# Altium PCB Main - Backup.PcbDoc (part 2 of 4)
Units mil, origin at the board's own origin, x right, y up, seen from the top; angles counter-clockwise.
Board outline 3937.01 x 2362.21 mil, 2 copper layers (Top Layer, Bottom Layer); 313 components, 187 nets, 894 pads, 443 vias.
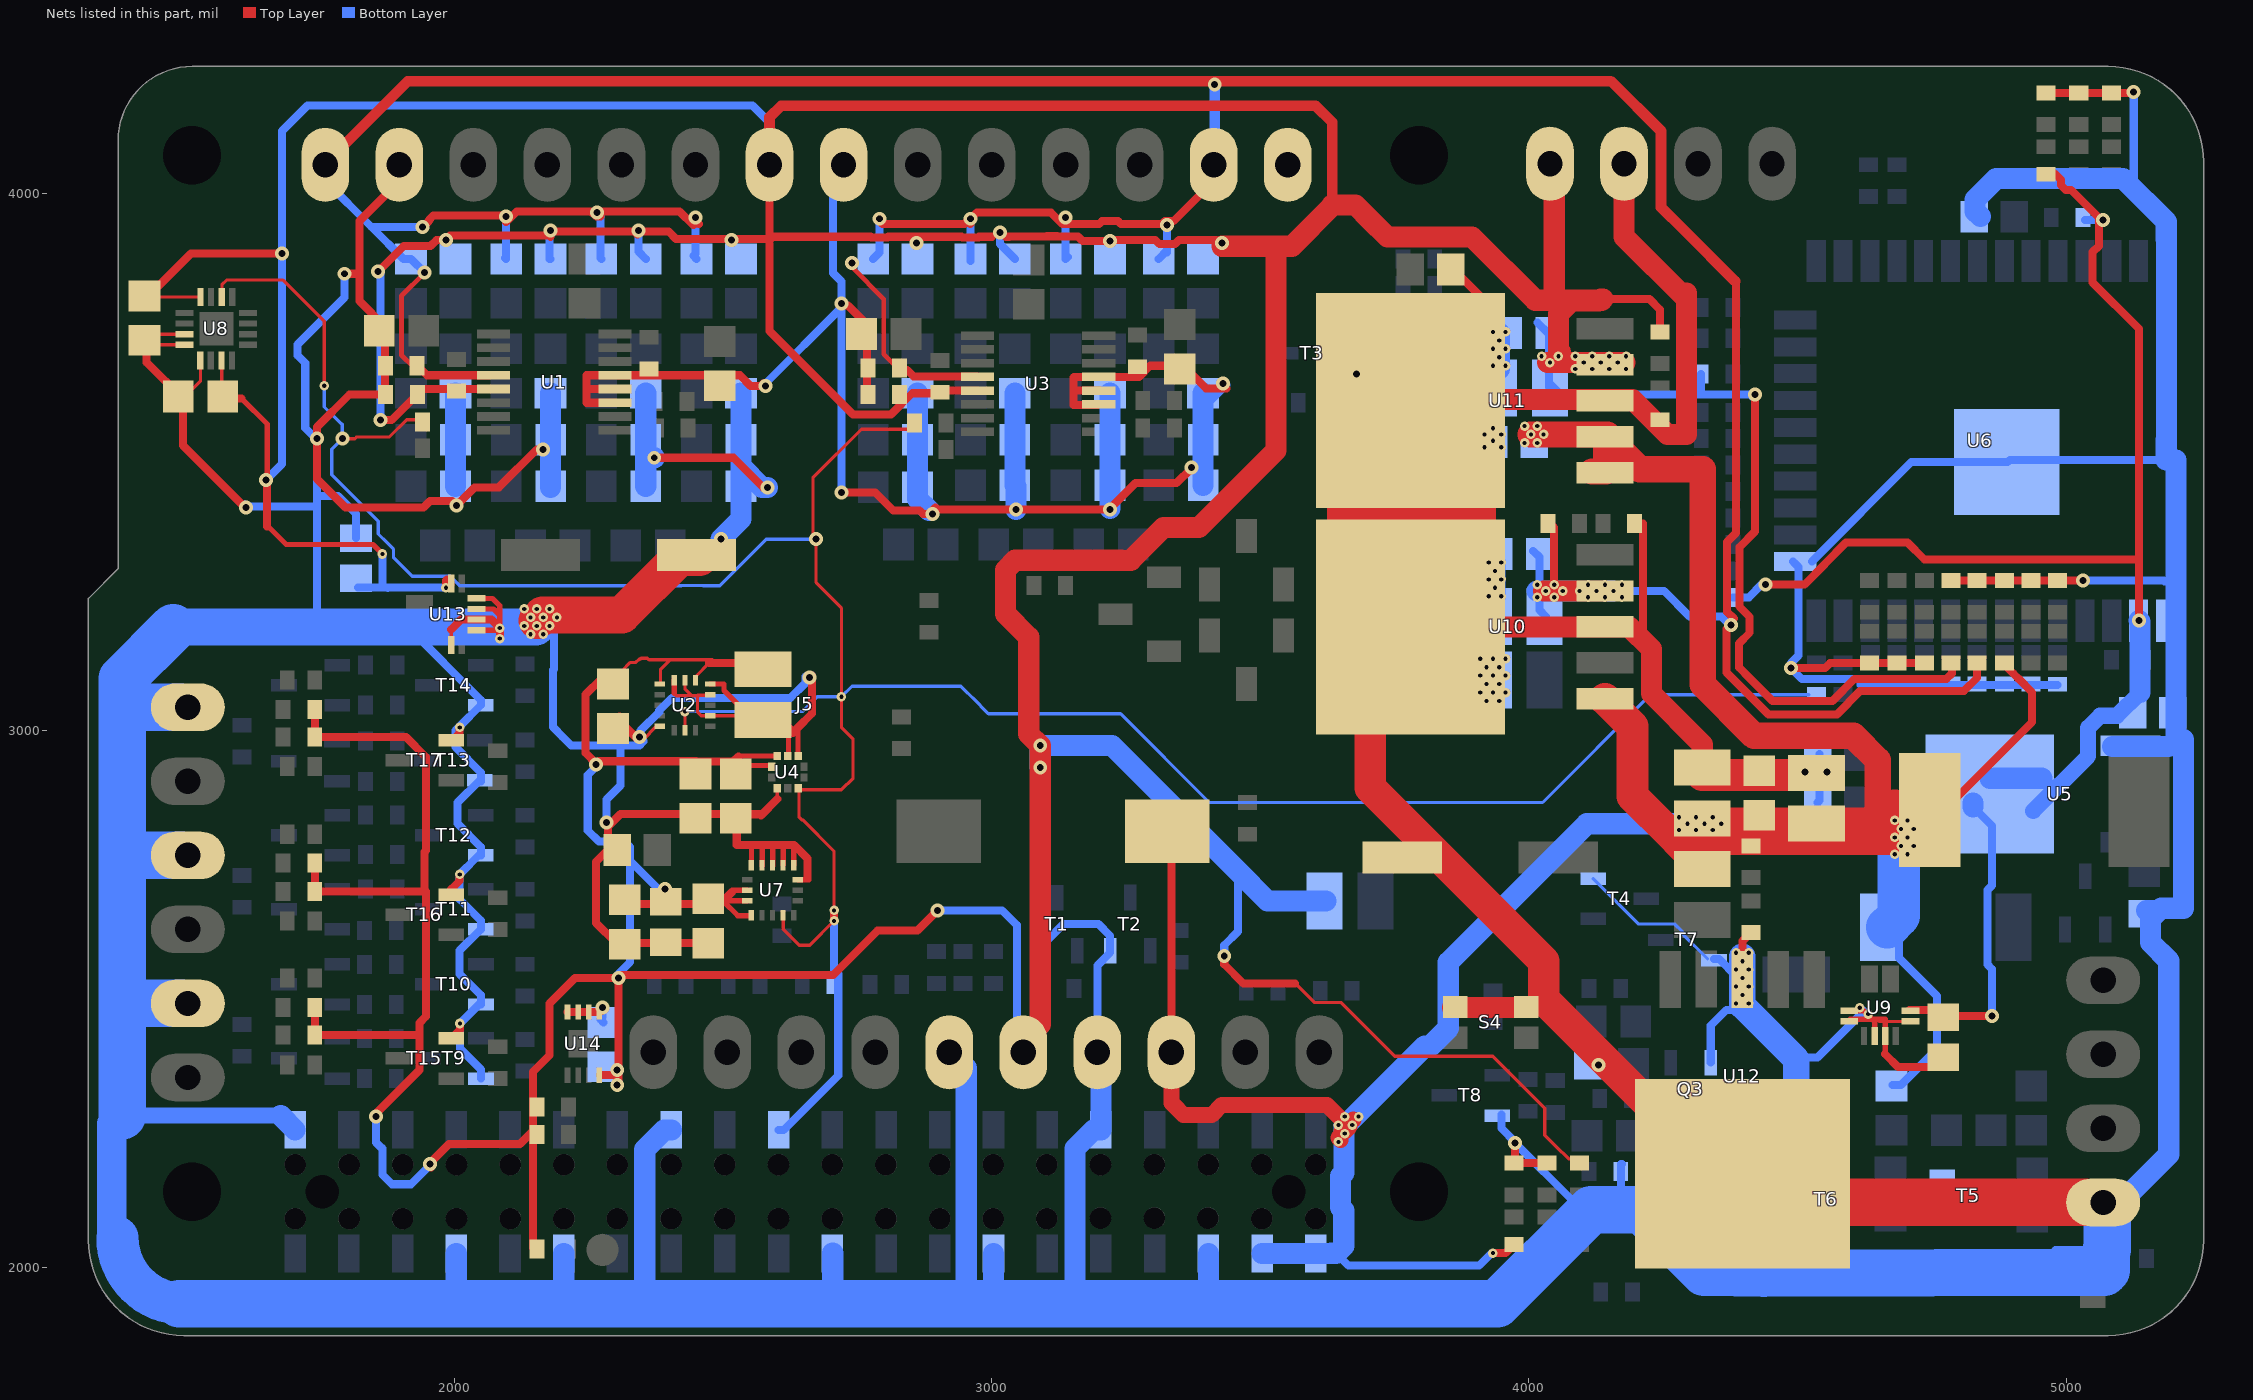
[diagram p2: the nets of this part, all layers, seen from the top]

## Part data
C1 C2 C3 C11 C12 C13 C19 C20 C21 C22 C23 C24 C25 C26 C30 C31 C32 C33 C34 C36 C37 C38 C39 C40 C47 C48 C49 C50 C51 C52 C53 C54 C55 C56 C57 C58 C59 C60 C61 C62 C63 C64 C65 C66: "Capacitor", LatestRevisionDate=17-Jul-2002, LatestRevisionNote="Re-released for DXP Platform.", PackageDescription="Radial Cap, Thru-Hole; 2 Leads; 0.3 in Pin Spacing", PackageReference=RAD-0.3, Published=8-Jun-2000, Publisher="Altium Limited"
C42 C43: "Near VDD"
C44: "Near VDD_IO"
D1 D3 D4 D5 D6 D7 D8 D9 D10: Supplier Part Number 1=754-2123-1-ND, Supplier 1=Digi-Key
D2 D11: Supplier Part Number 1=VSSC8L45-M3/9ATGICT-ND, Supplier 1=Digi-Key
D12 D13 D14: Supplier Part Number 1=754-2122-1-ND, Supplier 1=Digi-Key
J1 J2 J3 J4 J6 J7 J8 J9 J10 J11 J12 J13 J14 J15 J16 J17 J18 J19 J20: Supplier Part Number 1=A112762-ND, Supplier 1=Digi-Key
J5: Supplier Part Number 1=952-3218-ND, Supplier 1=Digi-Key
JP1 R1 R2 R3 R4 R5 R6 R7 R8 R9 R10 R11 R12 R13 R14 R15 R16 R17 R18 R19 R20 R21 R22 R23 R24 R25 R26 R27 R28 R29 R30 R31 R32 R33 R34 R35 R36 R37 R38 R39 R40 R41 R42 R43 R44 R45 R46 R47 R48 R49 R50 R51 R52 R53 R54 R55 R56 R57 R58 R59 R60 R61 R62 R63 R64 R65 R66 R67 R68 R69 R70 R71 R72 R73 R74 R75 R76 R77 R78 R79 R80 R81 R82 R83 R84 R85 R86 R87 R88 R89 R90 R91 R92 R93 R94 R95 R96 R97 R98 R99 R100 R101 R102 R103 R104 R105 R106 R107 R108 R109 R110 R111 R112 R113 R114 R115 R116 R117 R118 R119 R120 R121 R122 R123 R124 R125 R126 R127 R128 R129 R130 R131 R132 R133 R134 R135 R136 R137 R138 R139 R140 R141 R142 R143 R144 R145 R146 R147 R148 R149 R150 R151 R152 R153 R154 R155 R156 R157 R158 R159 R160 R161 R162 R163 R164 R165: "Resistor", LatestRevisionDate=29-May-2009, LatestRevisionNote="IPC-7351 Footprint Added.", PackageDescription="Chip Resistor", PackageReference=J1-0603, Published=8-Jun-2000, Publisher="Altium Limited"
L1: library part "Buck Inductor", "Inductor, SMD [Würth Elektronik] 7447709330 Inductor, SMD", Package="1210 Würth Elektronik", Supplier Part Number 1=732-1244-6-ND, Availability=Unavailable, MF="Wurth Electronics", MP=7447709330, Price=None, SnapEDA_Link=https://www.snapeda.com/parts/7447709330/Wurth%20Electronics%20Inc./view-part/?ref=snap, Supplier 1=Digi-Key
LS1: library part Buzzer, Package=CUI, Supplier Part Number 1=102-1200-1-ND, Availability=Unavailable, MF="CUI Inc.", MP=CT-1205C-SMT-TR, Price=None, SnapEDA_Link=https://www.snapeda.com/parts/CT-1205C-SMT-TR/CUI%20Inc./view-part/?ref=snap, Supplier 1=Digi-Key
Q1 Q2 Q4 Q5 Q6 Q7 Q8 Q9: Supplier Part Number 1=SI2343CDS-T1-GE3CT-ND, Supplier 1=Digi-Key
Q3: Supplier Part Number 1=SI2338DS-T1-GE3CT-ND, Supplier 1=Digi-Key
S1 S2 S3: library part "Screw Switch", Supplier Part Number 1=7813J-051ECT-ND, Supplier 1=Digi-Key
S4: library part "Pushbutton NO", "Switch Tactile Spst-No 0.05a 12v", Package=None, Supplier Part Number 1=732-10143-1-ND, Availability=Unavailable, MF="Wurth Electronics", MP=434153017835, Price=None, SnapEDA_Link=https://www.snapeda.com/parts/434153017835/Wurth%20Electronics%20Inc./view-part/?ref=snap, Supplier 1=Digi-Key
T1 T2 T3 T4 T5 T6 T7 T8 T9 T10 T11 T12 T13 T14 T15 T16 T17: library part "BJT NPN", "Trans NPN 40V 0.6A SOT23", Package="SOT-23 Motorola", Supplier Part Number 1=MMBT2222ATPMSCT-ND, Availability=Unavailable, MF="ON Semiconductor", MP=MMBT2222ALT1, Price=None, SnapEDA_Link=https://www.snapeda.com/parts/MMBT2222ALT1/ON%20Semiconductor/view-part/?ref=snap, Supplier 1=Digi-Key
U1 U3: "SOP65P640X120-16N", Supplier Part Number 1=296-39851-1-ND, MP=ADS1220IPWR, Supplier 1=Digi-Key
U2: "Accelerometer   / MEMS digital output motion sensor: ultra low-power high performance 3-axes nano accelerometer", Package="LGA-16 STMicroelectronics", Supplier Part Number 1=497-13244-1-ND, Availability=Unavailable, MF=STMicroelectronics, MP=LIS3DSHTR, Price=None, SnapEDA_Link=https://www.snapeda.com/parts/LIS3DSHTR/STMicroelectronics/view-part/?ref=snap, Supplier 1=Digi-Key
U4: "P-Sensor SPI I2C 1, 25 Bar SMD", Package="WFLGA-10 Bosch Tools", Supplier Part Number 1=828-1079-1-ND, Availability=Unavailable, MF="Bosch Sensortec", MP=BMP388, Price=None, SnapEDA_Link=https://www.snapeda.com/parts/BMP388/Bosch%20Sensortec/view-part/?ref=snap, Supplier 1=Digi-Key
U5: library part 3-3VReg, "NCP1117DT33T5GOSCT-ND 3.3V linear regulator", Package="SOT-223 Exar", Supplier Part Number 1=NCP1117DT33T5GOSCT-ND, Availability=Unavailable, MF="MaxLinear, Inc.", MP=SPX1117M3-L-3-3/TR, Price=None, SnapEDA_Link=https://www.snapeda.com/parts/SPX1117M3-L-3-3/TR/MaxLinear%2C%20Inc./view-part/?ref=snap, Supplier 1=Digi-Key
U6: "IC: SoC; GPIO, I2C, I2S, IR, SD, SDIO, SPI, UART; 2.7÷3.6VDC; 20dBm", Package="Module Espressif Systems", Supplier Part Number 1=1904-1023-1-ND, Availability=Unavailable, MF="Espressif Systems", MP=ESP32-WROOM-32D, Price=None, SnapEDA_Link=https://www.snapeda.com/parts/ESP32-WROOM-32D/Espressif%20Systems/view-part/?ref=snap, Supplier 1=Digi-Key
U7: "Gyroscope L3GD20H Series 3.6 V 6.1 mA Three-Axis Digital Output Gyroscope - LGA-16", Package="LGA-16 STMicroelectronics", Supplier Part Number 1=497-13931-1-ND, Availability=Unavailable, MF=STMicroelectronics, MP=L3GD20HTR, Price=None, SnapEDA_Link=https://www.snapeda.com/parts/L3GD20HTR/STMicroelectronics/view-part/?ref=snap, Supplier 1=Digi-Key
U8: "Magnetometer (Compass)", Supplier Part Number 1=MLX90393ELW-ABA-011-RECT-ND, Supplier 1=Digi-Key
U9: library part "2.5A Current Sensor", "Current Sensor Current Sensor AC/DC Current 12-Pin QFN EP T/R", Package="WFQFN-12 Allegro MicroSystems LLC", Supplier Part Number 1=620-1890-1-ND, Availability=Unavailable, MF="Allegro MicroSystems LLC", MP=ACS70331EESATR-005B3, Price=None, SnapEDA_Link=https://www.snapeda.com/parts/ACS70331EESATR-005B3/Allegro%20MicroSystems%20LLC/view-part/?ref=snap, Supplier 1=Digi-Key
U10 U11: "MIC29302 Series 3 A 1.24 to 26 V ADJ Output Voltage LDO Regulator - TO-263-5", Package="TO-263-5 Microchip", Supplier Part Number 1=576-1125-1-ND, Availability=Unavailable, MF=Microchip, MP=MIC29302WU, Price=None, SnapEDA_Link=https://www.snapeda.com/parts/MIC29302WU/Microchip/view-part/?ref=snap, Supplier 1=Digi-Key
U12: library part "Switching Regulator ADJ", "SIMPLE SWITCHER® 4.5V to 40V, 3A Low Component Count Step-Down Regulator 5-DDPAK/TO-263 -40 to 125", Package="TO-263-6 Texas Instruments", Supplier Part Number 1=296-35399-1-ND, Availability=Unavailable, MF="Texas Instruments", MP=LM2596SX-ADJ/NOPB, Price=None, SnapEDA_Link=https://www.snapeda.com/parts/LM2596SX-ADJ/NOPB/Texas%20Instruments/view-part/?ref=snap, Supplier 1=Digi-Key
U13: library part "31A current sensor", "Hall Effect Linear Current Sensor with Overcurrent Fault Output for <100 V Isolation Applications", Package="PowerWFQFN-12 Allegro MicroSystems LLC", Supplier Part Number 1=620-1481-1-ND, Availability=Unavailable, MF="Allegro MicroSystems LLC", MP=ACS711KEXLT-15AB-T, Price=None, SnapEDA_Link=https://www.snapeda.com/parts/ACS711KEXLT-15AB-T/Allegro%20MicroSystems%20LLC/view-part/?ref=snap, Supplier 1=Digi-Key
U14: library part CAT24C128HU4IGT3, "EEPROM Serial-I2C 128K-bit 16K x 8 2.5V/3.3V/5V 8-Pin UDFN EP T/R", Package="UFDFN-8 ON Semiconductor", Supplier Part Number 1=CAT24C128HU4IGT3OSDKR-ND, Availability=Unavailable, MF="ON Semiconductor", MP=CAT24C128HU4IGT3, Price=None, SnapEDA_Link=https://www.snapeda.com/parts/CAT24C128HU4IGT3/ON%20Semiconductor/view-part/?ref=snap, Supplier 1=Digi-Key

## Free pads (board coordinates)
  round 60 smd paste-30: 3(2275.59,2033.46)

## Via types
v1: diameter 17.72, hole 7.87, Top Layer to Bottom Layer, 295 vias
v2: diameter 26, hole 13, Top Layer to Bottom Layer, 147 vias
v3: diameter 78.74, hole 39.37, Top Layer to Bottom Layer, 1 vias

## Nets (pads, with @x,y where several pads share a name; then routed paths per layer and width w, separated by ;. In a path a pad name is that pad's centre, name@x,y a point inside that pad or via, vN(x,y) a via of type N, cw(c..) or ccw(c..) an arc to the next point about the centre after c; other vN are vias at no path point)
3.3V: C5.2 C9.2 C10.2 C15.2 C27.2 C28.2 C42.2 C43.2 C44.2 C45.2 C46.2 C57.2 C58.2 C66.2 C67.2 J6.1 J10.1 J13.1 JP1.2 R6.2 R12.2 R14.1 R19.1 R24.1 R29.1 R34.1 R39.1 R44.1 R49.1 R80.2 R107.2 R108.2 R109.2 R110.2 R123.2 R127.2 R149.2 R151.2 R153.2 R163.2 R164.2 R165.2 U1.13 U2.1 U2.14 U3.13 U4.1 U4.10 U7.1 U7.15 U7.16 U8.8 U8.15 U11.4 U13.12 U14.8 | length 20209.2
  Top Layer w6: C45.2@1443.78,3807.24 U8.8@1526.23,3807.24 ; C46.2@1566.93,3628.03 U8.15@1566.93,3688.98 ; C10.2@2311.02,3086.61 2311.02,3110.24 2327.63,3126.84 2337.59,3126.84 2343.74,3132.99 2345.71,3132.99 2347.31,3134.59 2359.37,3134.59 2362.08,3131.88 2480.31,3131.89 2474.41,3125.98 U2.14@2448.82,3100.39 ; 2383.86,3091.54 2383.86,3114.17 2400.81,3131.13 ; 3564.96,2529.53 3600.39,2494.09 3649.87,2494.09 3750.27,2393.7 3827.33,2393.7 3827.45,2393.83 ; 3822.83,2393.83 3827.45,2393.83 ; R107.2@4094.49,2192.91 4084.65,2202.76 4073.97,2202.76 4050.47,2226.25 4049.89,2226.25 4029.53,2246.62 4029.53,2297.24 3932.94,2393.83 3827.45,2393.83
  Top Layer w9.84: 1604.08,3617.95 1651.57,3570.46 1651.57,3474.41 v2@1657.48,3468.5 ; v2@1651.57,3462.6 1651.57,3381.89 1687.01,3346.46 1848.43,3346.46 v1(1866.14,3328.74) ; C44.2@2472.44,2685.04 2498.03,2685.04 C44.2@2500,2683.07 ; C44.2@2496.06,2681.1 2498.03,2683.07 C44.2@2500,2683.07 ; 2519.68,2702.76 U7.15@2545.28,2702.76 ; 2529.53,2950.79 2531.5,2952.76 U4.10@2600.39,2952.76 ; C28.2@2535.43,2938.98 2539.37,2935.04 U4.1@2590.55,2935.04 ; U7.16@2545.28,2683.07 C44.2@2500,2683.07 ; U7.1@2553.15,2655.51 2527.56,2655.51 C44.2@2500,2683.07
  Top Layer w15: C45.2@1425.2,3803.15 1509.84,3887.8 v2(1679.13,3887.8) ; C46.2@1566.93,3628.03 1556.85,3617.95 1604.08,3617.95 ; 1651.33,3380.17 1651.33,3462.35 v2@1651.57,3462.6 ; R108.2@1740.16,2484.25 R149.2@1740.16,2433.07 1935.04,2433.07 ; R110.2@1740.16,2753.94 R151.2@1740.16,2700.79 1946.85,2700.79 ; R153.2@1740.16,2988.19 R109.2@1740.16,3041.34 ; R153.2@1742.13,2988.19 1909.72,2988.19 1946.85,2951.05 1946.85,2776.57 1944.15,2773.87 1944.15,2703.97 1947.59,2700.53 1947.59,2473.23 1947.46,2473.11 1947.46,2472.44 1946.85,2471.82 1946.85,2467.77 1935.04,2455.96 1935.04,2433.07 ; v2(1854.33,2281.49) 1854.33,2287.4 1935.04,2368.11 1935.04,2433.07 ; v2(1858.26,3854.32) 1905.76,3901.81 1955.52,3901.81 1967.09,3913.39 v2(1984.25,3913.39) 1992.13,3921.26 2177.17,3921.26 v2@2179.13,3919.29 ; v2(1862.08,3578.22) 1883.34,3578.22 C5.2@1931.1,3625.98 1940.94,3635.83 U1.13@2072.83,3635.83 ; v2@1956.69,2187.01 1956.69,2196.85 1990.16,2230.32 2122.05,2230.32 R165.2@2146.43,2254.69 ; v1(1984.25,3265.75) 1984.25,3279.51 1986.23,3281.49 1992.37,3275.34 U13.12@1992.37,3271.65 ; R163.2@2149.61,2033.46 2146.43,2036.65 R165.2@2146.43,2254.69 ; v2(2179.13,3931.09) 2180.84,3929.38 2334.88,3929.38 2334.64,3929.14 2337.6,3926.18 2340.56,3923.22 2342.52,3925.18 v2(2342.52,3931.1) 2344.49,3929.13 2399.05,3929.13 2412.83,3915.35 2513.78,3915.35 v2(2515.75,3913.39) 2517.72,3915.35 2586.63,3915.35 ; U14.8@2271.65,2358.66 2295.67,2358.66 v2@2303.15,2366.14 ; v2(2303.15,2340.55) v2@2303.15,2366.14 ; v2(2303.15,2368.11) v2@2303.15,2366.14 ; v2@2305.12,2338.58 v2(2305.12,2539.37) ; C10.2@2305.12,3096.46 2273.62,3096.46 2244.09,3066.93 2244.09,2958.66 v2@2264.76,2937.99 ; C10.2@2309.06,3084.65 C10.2@2311.02,3086.61 ; C43.2@2311.02,2685.04 2318.9,2677.17 C42.2@2391.73,2677.17 ; C42.2@2391.73,2702.76 C42.2@2391.73,2677.17 ; v2(2391.73,2704.72) C42.2@2393.7,2704.72 ; 2474.41,3125.98 C9.2@2570.87,3125.98 ; C44.2@2476.38,2681.1 2472.44,2677.17 C42.2@2391.73,2677.17 ; C44.2@2498.03,2685.04 2501.97,2685.04 2517.72,2700.79 ; C28.2@2531.5,2903.54 2528.74,2906.3 2528.74,2951.97 2518.94,2942.17 2450.54,2942.17 2449.79,2942.91 2269.68,2942.91 v2@2264.76,2937.99 ; 2576.77,2545.28 2468.5,2545.28 2468.5,2545.03 2310.78,2545.03 v2(2305.12,2539.37) ; 2579.29,2545.28 2705.27,2545.28 2787.95,2627.95 2862.2,2627.95 v2(2899.61,2665.35) ; 2586.63,3905.51 2586.63,3744.08 2742.13,3588.58 2812.99,3588.58 2852.36,3627.95 R12.2@2885.83,3627.95 ; J13.1@2586.63,4023.23 2586.63,3915.35 ; R12.2@2891.73,3629.92 2894.68,3632.87 U3.13@2973.62,3632.87 ; 3000.98,3919.29 2976.92,3919.29 2975.2,3917.57 2946.06,3917.57 2944.34,3919.29 2807.63,3919.29 2805.91,3917.57 2776.76,3917.57 2775.04,3919.29 2592.53,3919.29 2586.63,3913.39 2586.63,3915.35 ; v2@3025.58,3920.03 3026.32,3919.29 3032.21,3919.29 3032.95,3920.03 3102.88,3920.03 3103.01,3920.16 3122.1,3920.16 3122.72,3919.54 3152.37,3919.54 3152.74,3919.91 3160.8,3919.91 3169.29,3911.42 3218.5,3911.42 3220.47,3913.39 3304.57,3913.39 3312.2,3905.76 3341.35,3905.76 3348.97,3913.39 3417.32,3913.39 v2@3429.13,3901.57 ; v2(3433.07,2580.71) 3433.07,2564.96 3468.5,2529.53 3564.96,2529.53 ; 4133.86,3803.15 4137.8,3803.15 4224.41,3803.15 4244.09,3783.46 R123.2@4244.08,3742.12 ; v2(4421.26,3625.98) 4421.26,3370.63 4391.98,3341.35 4391.98,3230.61 4411.17,3211.42 4411.17,3182.28 4391.11,3162.22 4391.11,3117.79 4410.8,3098.11 4453.79,3055.12 4564.96,3055.12 4606.3,3096.46 4777.56,3096.46 4787.4,3106.3 R80.2@4787.4,3125.98 ; R165.2@2146.43,2254.69 2146.43,2364.93 2177.16,2395.67 2177.17,2492.13 2224.41,2539.37 v2(2305.12,2539.37) ; v2@2264.76,2937.99 2265.75,2937.01 v2(2263.78,2937.01) v2@2264.76,2937.99
  Top Layer w19.68: J13.1@2586.61,4031.5 J13.1@2586.61,4053.15 2586.61,4141.73 2608.27,4163.39 3602.86,4163.39 3633.86,4132.39 3633.86,3978.46
  Top Layer w39.37: J10.1@3059.06,2421.26 3090.55,2452.76 v2(3090.55,2931.1) v2@3090.55,2970.47 ; v2(3090.55,2972.44) 3069.02,2993.97 3069.02,3130.97 3069.02,3174.4 3025.84,3217.58 3025.84,3299.22 3043.67,3317.06 3182.73,3317.06 3182.85,3316.93 3191.16,3316.93 3191.29,3317.06 3241.78,3317.06 3241.91,3316.93 3258.91,3316.93 3319.8,3377.82 3385.7,3377.82 3529.53,3521.65 3529.53,3901.57 ; v2@3429.13,3901.57 3529.53,3901.57 ; 3704.84,3950.67 3736.72,3918.8 3894.34,3918.8 4011.96,3801.18 4047.24,3801.18 ; 3704.84,3950.72 3677.09,3978.46 3633.86,3978.46 3633.86,3976.38 3559.06,3901.57 3529.53,3901.57 ; v1@4035.23,3685.04 v1(4039.37,3685.04) 4118.11,3685.04 U11.4@4179.13,3685.04 ; J6.1@4039.37,4057.09 4047.24,4049.21 4047.24,3801.18 ; v1@4059.06,3704.72 4055.12,3708.66 4055.12,3775.98 4078.93,3799.8 4130.5,3799.8 4131.89,3801.18 ; 4133.86,3803.15 4131.89,3801.18 ; 4137.8,3803.15 4135.83,3801.18 4131.89,3801.18 ; 4047.24,3801.18 4131.89,3801.18
  Bottom Layer w15: v2(1649.61,3466.54) 1679.13,3496.06 v2(1679.13,3887.8) 1679.13,4116.14 1726.38,4163.39 2555.12,4163.39 2586.61,4131.89 J13.1@2586.61,4053.15 J13.1@2586.61,4031.5 ; C66.2@1820.62,3266 1866.14,3266 ; v2(1854.33,2281.49) 1854.33,2233.32 1863.7,2223.94 1864.64,2223.94 1866.14,2222.44 1866.14,2173.23 1883.86,2155.51 1919.29,2155.51 v2@1954.72,2190.94 ; v2(1858.26,3854.32) 1862.2,3854.32 v2@1862.2,3576.77 ; v1(1866.14,3328.74) 1866.14,3266 ; 1875.98,3265.75 1866.14,3266 ; v1@1980.56,3266 1866.14,3266 ; R29.1@2179.13,3877.95 2177.17,3877.95 2177.17,3929.13 v2(2179.13,3931.09) ; v2@2267.73,2937.02 2248.28,2917.57 2248.28,2814.17 2268.89,2793.56 2316.68,2793.56 2326.77,2783.46 2326.77,2757.87 ; v2(2305.12,2539.37) 2305.12,2547.23 2326.77,2568.89 2326.77,2757.87 ; v2(2342.52,3931.1) 2342.52,3891.73 R39.1@2356.3,3877.95 ; v2(2391.73,2704.72) 2379.92,2704.72 2326.77,2757.87 ; v2(2899.61,2665.35) 3019.69,2665.35 3047.24,2637.8 3047.24,2416.95 J10.1@3059.07,2405.12 ; v2(3015.75,3927.17) 3015.75,3905.51 R24.1@3043.31,3877.95 ; v2(3433.07,2580.71) 3433.07,2600.39 3458.66,2625.98 3458.66,2738.19 ; C58.2@4015.75,3759.84 4037.4,3738.19 4037.4,3639.76 C57.2@4039.37,3637.8 ; C57.2@4039.37,3645.67 4055.12,3629.92 4051.18,3625.98 4320.87,3625.98 ; R127.2@4320.87,3663.39 4320.87,3625.98 ; v2@4416.59,3621.31 4411.91,3625.98 4320.87,3625.98
  Bottom Layer w39.37: v2(3090.55,2931.1) v2(3090.55,2972.44) ; v2@3092.52,2972.44 3224.41,2972.44 3458.66,2738.19 3513.78,2683.07 JP1.2@3620.08,2683.07 JP1.2@3622.05,2683.07 ; v1(4039.37,3685.04) v1(4102.36,3685.04) ; 4086.61,3685.04 v1(4102.36,3685.04) ; v1@4157.48,3685.04 4118.11,3685.04 ; 4177.17,3685.04 v1(4165.35,3685.04) v1(4133.86,3685.04) 4118.11,3685.04 ; v1(4102.36,3685.04) v1@4103.46,3685.04 ; v1(4102.36,3685.04) v1@4103.46,3685.04 ; v1@4103.46,3685.04 4118.11,3685.04 ; v1@4103.46,3685.04 4118.11,3685.04
  other v1: 4086.61,3673.23 4118.11,3673.23 4149.61,3673.23 4181.1,3673.23 4023.62,3696.85 4055.12,3696.85 4086.61,3696.85 4118.11,3696.85 4149.61,3696.85 4181.1,3696.85
  other v2: 1954.72,2192.91 2860.23,3907.47 3429.13,3907.47 3220.47,3911.41
5V: C59.2 C61.2 C62.2 C63.2 C64.2 D2.1 D10.1 J5.2 J5.4 J9.1 L1.2 LS1.2 R86.2 R93.1 R125.1 U10.1 U11.1 U11.2 | length 6140.7
  Top Layer w15: LS1.2@3255.91,2862.2 LS1.2@3303.15,2814.96 ; LS1.2@3309.06,2805.12 LS1.2@3309.06,2809.06 ; LS1.2@3330.71,2812.99 3334.66,2809.04 3334.66,2405.12 J9.1@3334.66,2403.15 ; v1(3933.07,2027.56) 3956.69,2027.56 D10.1@3972.44,2043.31 D10.1@3974.41,2041.34 ; L1.2@4748.03,2826.77 4937.01,3015.75 4937.01,3070.87 4911.17,3096.7 4910.9,3096.7 4901.82,3105.78 4901.82,3106.05 4885.83,3122.05 R86.2@4885.83,3125.98
  Top Layer w30: J9.1@3334.73,2403.16 3334.66,2405.12 3334.65,2306.9 3338.4,2303.15 3338.58,2303.15 3357.42,2284.31 3409.48,2284.31 3428.32,2303.15 3624.02,2303.15 3653.54,2273.62 3657.48,2269.69 3657.48,2259.84 ; v1@3649.61,2238.19 3645.67,2242.13 v1@3666.34,2262.8 ; 3673.23,2275.59 3657.48,2259.84 ; 3657.48,2259.84 3651.57,2253.94 3657.48,2253.94 3657.48,2259.84
  Top Layer w49.21: v1(4003.94,3551.18) v1(4027.56,3551.18) U11.2@4145.67,3551.18 ; U11.1@4118.11,3482.28 4143.7,3482.28 4143.7,3549.21 4206.69,3486.22 4323.69,3486.22 4323.69,3085.76 4419.29,2990.16 4604.33,2990.16 4649.61,2944.88 4649.61,2820.96 4649.61,2814.96
  Top Layer w59.06: U10.1@4141.73,3058.93 4141.86,3058.93 4192.91,3007.87 4192.91,2877.95 4267.72,2803.15 4278.54,2792.32 C61.2@4312.99,2757.87
  Top Layer w88.58: C62.2@4322.83,2812.99 4358.27,2812.99 4413.39,2812.99 4535.43,2812.99 4631.89,2812.99 4647.64,2812.99 ; 4639.76,2812.99 4647.64,2812.99 ; 4647.64,2812.99 4681.1,2812.99 L1.2@4692.91,2812.99 ; 4647.64,2812.99 L1.2@4692.91,2812.99 ; 4647.64,2812.99 4649.61,2814.96 4655.1,2820.45 ; 4655.1,2820.45 4679.77,2818.19 4682.64,2817.92 4685.51,2817.66 4692.92,2816.98 4695.79,2816.71 4703.19,2816.03 4706.07,2815.77 4708.94,2815.5 4716.34,2814.82 4719.21,2814.56 4736.22,2812.99 4716.54,2812.99 L1.2@4692.91,2812.99 ; 4655.1,2820.45 4681.1,2846.46 4674.36,2841 4673.8,2840.54 4673.23,2840.09 4658.96,2828.53 4649.61,2820.96 4655.1,2820.45
  Bottom Layer w15: 3641.73,2026.57 3664.37,2003.94 3907.48,2003.94 3931.1,2027.56 v1(3933.07,2027.56) ; v1@4303.15,2826.77 v1@4314.96,2838.58 ; R93.1@4677.17,2340.55 4692.91,2340.55 4759.84,2407.48 4759.84,2505.91 4688.98,2576.77 4688.98,2653.54 4687.99,2654.53 4687.01,2655.51
  Bottom Layer w39.37: J5.4@3503.54,2026.73 J5.2@3603.54,2026.73 3640.91,2026.73 ; 3631.89,2027.56 3642.72,2027.56 3655.51,2040.35 3655.51,2106.92 3649.61,2112.82 3649.61,2170.64 3655.95,2176.99 3655.95,2250 3655.95,2265.02 3665.11,2274.18